# KiCad board vme-wren.kicad_pcb (continued)
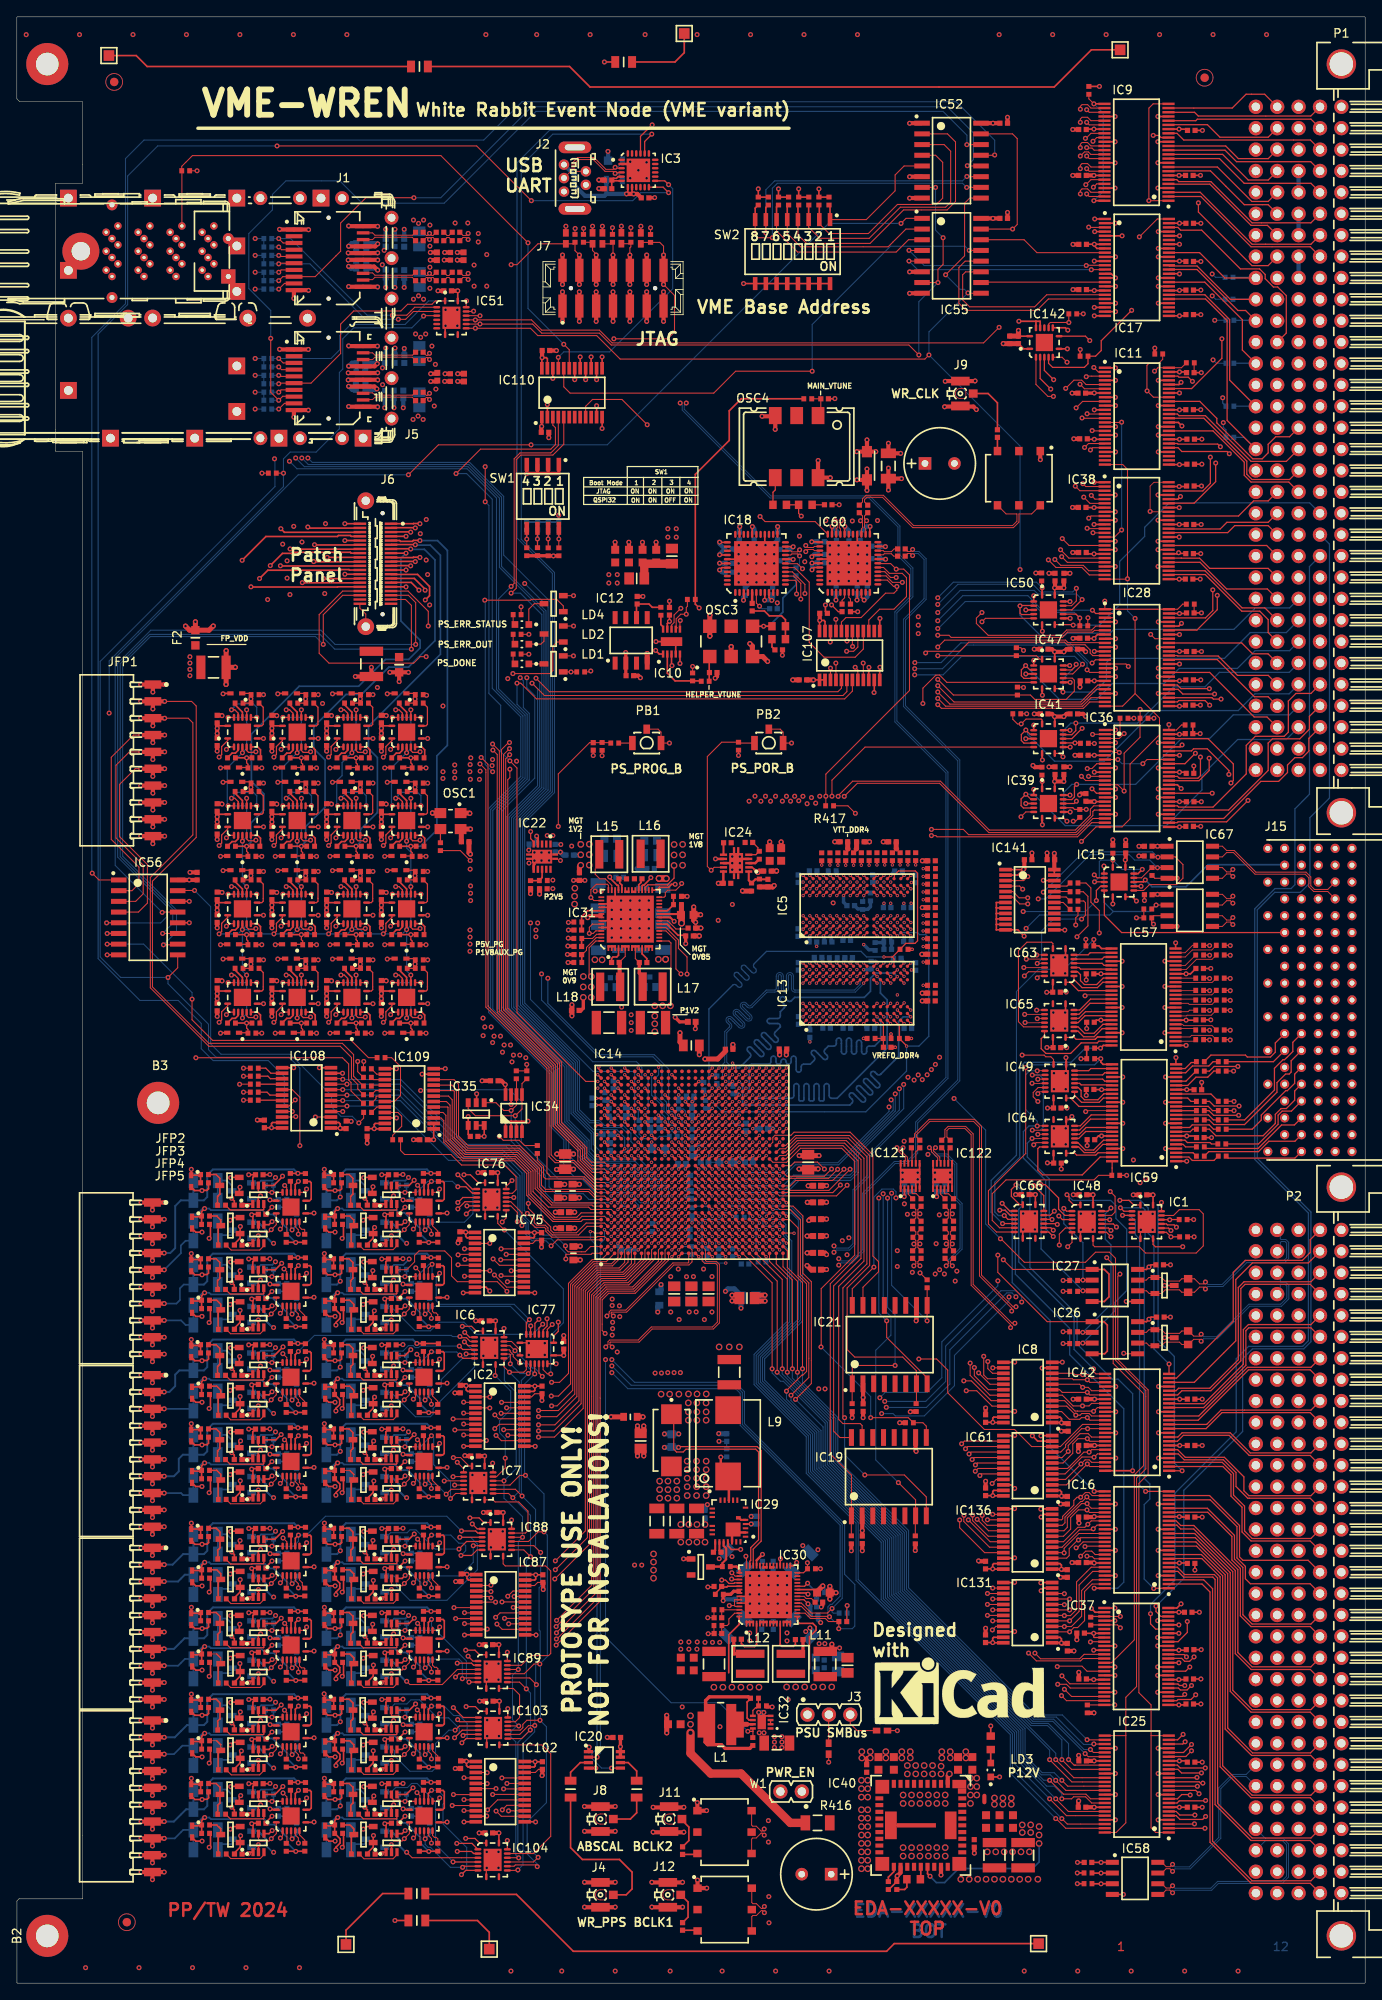
[diagram p0: board, top side]
## Routing (per net, layer and track width the routed paths; a pad name or vN(x,y) marks a point on that pad's centre or on a via; arc(x,y) is an arc through that point) (continued)
  L5 w0.125: v2(124.8,87.44) 130.45,87.44 131.8,88.79 131.8,94.24 133.09,95.53 134.05,95.53 v2(134.06,95.54)
/VMEF.USEGA_N: length 22.1
  Top Layer w0.125: SW2.6 90.22,208.04 92.73,205.54 104.43,205.54 105.89,207 IC55.3
  Top Layer w0.2: SW2.6 90.22,210.89 R344.2
/VMEF.WRITE_N: length 148.8
  Top Layer w0.125: IC36.5 130.23,146.79 130.9,146.12 v2(130.92,146.12) 130.22,146.12 130.06,146.29 IC36.6 ; v2(55.14,145.53) 55.95,144.72 55.95,115.99 63.2,108.74 63.2,98.14 63.93,97.42 66.13,97.42 68.88,94.66 IC14.A11
  L8 w0.125: v2(55.14,145.53) 55.14,149.42 56.56,150.84 96.73,150.84 99.04,148.54 112.08,148.54 117.19,143.43 117.19,143.42 125.48,143.42 126.76,144.7 127.74,144.7 128.65,143.8 130.68,143.8 131.24,144.36 131.24,145.8 v2(130.92,146.12)
/VMEF.WRITE_N_DIR: length 153.3
  Top Layer w0.125: IC36.8 130.75,145.29 v2(130.75,145.29) ; v2(133.73,144.79) 134.23,145.29 IC36.41 ; v2(55,144.76) 55.7,144.06 55.7,115.89 62.95,108.64 62.95,96.19 63.4,95.74 67.41,95.74 68.88,94.26 69.79,94.26 IC14.B10
  L8 w0.125: v2(130.75,145.29) 130.41,144.95 126.66,144.95 125.38,143.67 117.3,143.67 112.19,148.79 99.14,148.79 96.84,151.09 56.46,151.09 54.65,149.29 54.65,145.11 v2(55,144.76)
  Bottom Layer w0.125: v2(130.75,145.29) 131.25,144.79 v2(133.73,144.79)
/WR_CLK.25M_HELPER: length 10.2
  Top Layer w0.2: OSC3.4 v2(88.69,161.11) 89.68,161.11 R201.1
  Bottom Layer w0.2: v2(88.69,161.11) 89.29,161.11 90.97,162.79 90.97,164.47 92.53,166.03 R65.1
/WR_CLK.ABSCAL: length 68.3
  Top Layer w0.125: v1(68.11,89.24) 68.41,89.24 68.58,89.06 IC14.A4
  Top Layer w0.15: v2(70.64,25.54) IC20.5
  Bottom Layer w0.125: v2(70.64,25.54) 69.45,25.54 68.29,26.69 68.29,27.26 68.9,27.88 68.9,87.54 68.11,88.33 v1(68.11,89.24)
/WR_CLK.AUX_N: length 113
  Top Layer w0.115: 71.4,90.27 IC14.D6 ; IC60.35 94.72,170.59 94.59,170.46 93.94,170.46 v2(93.69,170.7)
  L3 w0.1: v2(59.73,110.19) 59.48,109.94 59.48,108.79 62.08,106.19 62.08,97.69 63.91,95.87 65.41,95.87 66.13,95.14 66.13,94.64 66.46,94.32 67.26,94.32 70.14,91.44 71.55,91.44 71.77,91.22 71.77,90.64 v1(71.39,90.26)
  L10 w0.1: v2(59.73,110.19) 59.48,110.44 59.48,139.04 73.66,153.21 84.76,153.21 95.33,163.79 95.33,169.89 94.76,170.47 93.93,170.47 v2(93.69,170.7)
/WR_CLK.AUX_P: length 111.8
  Top Layer w0.115: IC60.36 94.72,170.09 94.59,170.22 93.94,170.22 v2(93.69,169.98) ; 71.4,91.07 IC14.D7
  L3 w0.1: v1(71.39,91.06) 71.02,90.69 70.44,90.69 70.22,90.91 70.22,90.99 67.15,94.06 66.35,94.06 65.87,94.54 65.87,95.04 65.3,95.61 63.8,95.61 61.82,97.59 61.82,106.09 59.22,108.69 59.22,109.94 v2(58.97,110.19)
  L10 w0.1: v2(58.97,110.19) 59.22,110.44 59.22,139.14 73.55,153.47 84.65,153.47 95.07,163.89 95.07,169.79 94.65,170.21 93.93,170.21 v2(93.69,169.98)
/WR_CLK.HELPER_N: length 113.1
  Top Layer w0.115: 72.2,89.47 IC14.E5 ; v2(92.96,170.18) 92.72,169.94 92.05,169.94 91.92,170.07 IC18.20
  L3 w0.1: v1(72.19,89.46) 71.82,89.09 70.44,89.09 70.2,89.32 70.2,89.58 69.95,89.84 69.74,89.84 68.02,91.56 67,91.56 65.82,92.74 65.82,93.44 65.3,93.96 63.9,93.96 60.37,97.49 60.37,101.44 59.87,101.94 59.87,106.14 58.12,107.89 58.12,111.14 v2(57.87,111.39)
  L10 w0.1: v2(92.96,170.18) 92.73,169.95 91.83,169.95 91.07,169.19 91.07,162.39 83.15,154.47 73,154.47 58.12,139.59 58.12,111.64 v2(57.87,111.39)
/WR_CLK.HELPER_P: length 112.7
  Top Layer w0.115: 71.4,89.47 IC14.D5 ; IC18.19 91.92,169.57 92.05,169.7 92.72,169.7 v2(92.96,169.46)
  L3 w0.1: v1(71.39,89.46) 71.02,89.84 70.35,89.84 70.09,90.1 69.84,90.1 68.12,91.82 67.11,91.82 66.08,92.84 66.08,93.54 65.41,94.22 64.01,94.22 60.63,97.59 60.63,101.54 60.13,102.04 60.13,106.24 58.38,107.99 58.38,111.14 v2(58.63,111.39)
  L10 w0.1: v2(92.96,169.46) 92.73,169.69 91.94,169.69 91.33,169.09 91.33,162.29 83.26,154.21 73.11,154.21 58.38,139.49 58.38,111.64 v2(58.63,111.39)
  Bottom Layer w0.115: R65.2 92.96,168.47 v2(92.96,169.46)
/WR_CLK.MAIN_N: length 137.3
  Top Layer w0.115: 70.6,87.07 IC14.C2 ; IC60.24 100.8,172.68 100.67,172.81 100.67,173.4 v2(100.92,173.64) 100.67,173.88 100.67,174.21 C248.2
  L3 w0.1: v1(70.59,87.06) 70.32,87.33 70.05,87.33 69.95,87.44 68.62,87.44 67.85,88.21 63.95,88.21 62.82,89.34 62.82,91.99 58.12,96.69 58.12,100.49 55.82,102.79 55.82,113.28 v2(55.57,113.53)
  L10 w0.1: v2(55.57,113.53) 55.82,113.78 55.82,140.49 59.82,144.49 59.82,146.24 70.75,157.17 78.15,157.17 80.17,159.19 80.17,171.89 85.25,176.97 98.96,176.97 100.68,175.24 100.68,173.87 v2(100.92,173.64)
/WR_CLK.MAIN_P: length 136
  Top Layer w0.115: 70.59,87.86 70.98,88.26 ; IC60.25 100.3,172.68 100.43,172.81 100.43,173.4 v2(100.19,173.64) 100.43,173.88 100.43,174.21 C246.2
  L3 w0.1: v1(70.58,87.86) 70.32,87.59 70.16,87.59 70.05,87.7 68.73,87.7 67.96,88.47 64.06,88.47 63.08,89.44 63.08,92.09 58.38,96.79 58.38,100.59 56.08,102.89 56.08,113.28 v2(56.33,113.53)
  L10 w0.1: v2(100.19,173.64) 100.42,173.87 100.42,175.14 98.85,176.71 85.36,176.71 80.43,171.79 80.43,159.09 78.26,156.91 70.86,156.91 60.08,146.14 60.08,144.39 56.08,140.39 56.08,113.78 v2(56.33,113.53)
/WR_CLK.PPS: length 64.6
  Top Layer w0.15: IC20.2 v2(68.91,26.84) ; 69.8,89.46 IC14.B4
  Bottom Layer w0.125: v1(69.79,89.46) 69.79,88.33 69.3,87.84 69.3,27.33 68.91,26.94 v2(68.91,26.84)
/WR_CLK.RSTN: length 147.8
  Top Layer w0.125: IC60.17 102.29,168.55 103.77,168.55 v2(104.43,167.89) 105.33,167.89 106.01,167.21 106.01,153.49 96.08,143.55 v2(96.08,140.93) 96.08,139.81 R417.2 ; v2(93.3,167.94) 92.71,168.53 91.32,168.53 IC18.17
  Top Layer w0.15: 74.58,100.66 IC14.G18
  L3 w0.125: v2(93.3,167.94) 93.3,166.39 94.8,164.89 94.8,163.64 95.29,163.15 96.96,163.15 97.24,163.44 100.62,163.44 103.8,166.62 103.8,167.26 v2(104.43,167.89)
  L5 w0.125: v2(53.88,130.28) 56.55,127.6 56.55,116.71 63.31,109.95 63.31,106.54 66.39,103.47 71.79,103.47 v1(74.59,100.66)
  L8 w0.125: v2(96.08,140.93) 96.08,140.16 95.42,139.5 63.88,139.5 62.72,138.35 56.86,138.35 53.16,134.65 53.16,131 v2(53.88,130.28)
/WR_CLK.SFP_N: length 117.5
  Top Layer w0.115: C266.1 105.81,169.74 106.14,169.74 v2(106.38,169.5) ; IC14.V5 83.38,89.47
  L3 w0.1: v2(97.61,86.02) 97.36,85.77 95.36,85.77 94.26,84.67 83.98,84.67 83.52,85.12 83.52,87.34 83.77,87.58 83.77,89.09 v1(83.39,89.46)
  Bottom Layer w0.115: v2(106.38,169.5) 106.63,169.74 107.04,169.74 107.74,169.04 107.74,164.39 105.29,161.94 105.29,151.59 111.74,145.14 111.74,107.24 106.74,102.24 106.74,98.64 105.66,97.56 104.21,97.56 100.44,93.79 100.44,87.09 99.11,85.76 97.87,85.76 v2(97.61,86.02)
/WR_CLK.SFP_P: length 119.6
  Top Layer w0.115: IC14.V6 83.38,90.27 ; C265.1 105.81,169.98 106.14,169.98 v2(106.38,170.22)
  L3 w0.1: v1(83.39,90.26) 83.01,89.88 83.01,87.58 83.26,87.34 83.26,84.98 83.84,84.41 94.37,84.41 95.47,85.51 97.36,85.51 v2(97.61,85.26)
  Bottom Layer w0.115: v2(97.61,85.26) 97.87,85.52 99.21,85.52 100.68,86.99 100.68,93.69 104.31,97.32 105.76,97.32 106.98,98.54 106.98,102.14 111.98,107.14 111.98,145.24 105.53,151.69 105.53,161.84 107.98,164.29 107.98,169.14 107.14,169.98 106.63,169.98 v2(106.38,170.22)
/WR_CLK.SI5340_IRQ_N: length 118.2
  Top Layer w0.125: IC60.33 94.81,173.54 88.86,173.54 v2(88.26,174.14)
  Top Layer w0.15: 72.18,99.06 IC14.D16
  L3 w0.125: v2(60.31,166.19) 64.91,166.19 66.26,167.54 66.26,169.04 71.36,174.14 v2(88.26,174.14)
  Bottom Layer w0.125: v2(60.31,166.19) 63.09,163.41 63.09,141.65 59.52,138.08 59.52,116.1 66.32,109.3 66.32,103.48 68.46,101.34 71.26,101.34 72.19,100.41 v1(72.19,99.06)
/WR_CLK.SPI_HELPER_CS_N: length 20.4
  Top Layer w0.125: IC107.16 100.53,158.4 99.56,157.44 95.86,157.44 94.1,159.19 94.1,166.34 92.37,168.07 IC18.16
/WR_CLK.SPI_MAIN_CS_N: length 13.1
  Top Layer w0.125: IC107.15 101.18,161.85 102.46,163.14 104.16,163.14 105.65,164.62 105.65,166.88 105.14,167.39 103.63,167.39 102.93,168.09 IC60.16
/WR_CLK.SPI_MISO: length 66.7
  Top Layer w0.125: v2(104.43,166.9) 103.76,166.9 103.08,167.59 IC60.15 ; IC18.15 92.1,167.57 93.59,166.08 v2(93.59,164.99)
  Top Layer w0.2: IC110.15 v2(68.2,193.09)
  L3 w0.125: v2(68.2,193.09) 68.2,189.79 73.56,184.44 73.56,182.54 81.26,174.84 89.86,174.84 91.36,173.34 91.36,167.84 93.59,165.61 v2(93.59,164.99) 93.59,164.41 95.16,162.84 97.46,162.84 98.06,162.24 101.35,162.24 103.78,164.66 103.78,166.24 v2(104.43,166.9)
/WR_CLK.SPI_MOSI: length 35.9
  Top Layer w0.125: IC60.13 103.37,166.59 104.13,165.83 v2(104.51,165.83) 104.51,165.39 104.16,165.04 103.16,165.04 100.26,162.14 98.46,162.14 97.93,161.6 IC107.20 ; v2(92.6,164.94) 92.6,166.36 92.39,166.57 IC18.13
  L3 w0.125: v2(92.6,164.94) 92.6,160.99 93.5,160.09 102.6,160.09 104.51,162 v2(104.51,165.83)
/WR_CLK.SPI_SCK: length 24.6
  Top Layer w0.125: IC107.21 97.28,161.92 v2(97.26,161.94) ; IC60.14 103.22,167.09 103.99,166.32 v2(105.16,166.32) ; IC18.14 92.25,167.07 93.1,166.21 v2(93.1,164.34)
  L3 w0.125: v2(93.1,164.34) 95.16,162.29 96.91,162.29 v2(97.26,161.94) 101.71,161.94 104.03,164.25 104.03,166.03 104.31,166.32 v2(105.16,166.32)
/WR_DAC.DIN: length 34.4
  Top Layer w0.125: v2(99.25,158.71) 99.23,158.73 IC107.18 ; v2(78.85,163.24) 78.05,162.44 78.05,161.55 77.75,161.25 IC10.8 ; R86.1 80.25,156.33 v2(80.26,156.34)
  L3 w0.125: v2(99.25,158.71) 99.25,157.7 99.02,157.47 91.53,157.47 89.95,155.89 80.7,155.89 v2(80.26,156.34) 79.05,157.54 79.05,159.54 78.3,160.29 78.3,162.69 v2(78.85,163.24)
/WR_DAC.SCLK: length 30.7
  Top Layer w0.125: R66.1 79.63,163.47 79.5,163.34 v2(79.5,162.54) 78.85,162.54 78.3,161.99 78.3,161.03 78.41,160.92 IC10.7 ; IC107.19 98.58,159.37 v2(98.59,159.36)
  L3 w0.125: v2(79.5,162.54) 80.35,161.69 80.35,157.79 81.5,156.64 87.85,156.64 89.97,158.75 97.99,158.75 v2(98.59,159.36)
/WR_DAC.SYNC: length 29.6
  Top Layer w0.125: IC10.6 78.75,161.75 v2(78.79,161.79) ; IC107.17 99.88,158.64 99.37,158.14 v2(98.54,158.14)
  L3 w0.125: v2(78.79,161.79) 78.79,160.75 79.75,159.79 79.75,157.84 81.3,156.29 89.21,156.29 89.99,157.07 89.99,157.77 90.58,158.36 97.43,158.36 97.65,158.14 v2(98.54,158.14)
/WRFLASH_I2C.SCL: length 28
  Top Layer w0.125: R226.1 59.34,107.36 IC34.6 59.34,104.25 v2(58.7,103.61) 57.83,103.61 56.9,104.54 IC35.1
  Top Layer w0.15: 70.6,92.67 IC14.C9
  Bottom Layer w0.125: v1(70.59,92.66) 63.94,92.66 62.76,93.84 62.76,95.93 58.7,99.99 v2(58.7,103.61)
/WRFLASH_I2C.SDA: length 31.2
  Top Layer w0.125: IC35.3 53.6,103.84 54.45,102.99 v2(59.19,102.99) 59.99,103.79 IC34.5 59.99,106.81 R169.1
  Top Layer w0.15: 71.4,92.67 IC14.D9
  Bottom Layer w0.125: v2(59.19,102.99) 59.19,100.06 63.21,96.04 63.21,94.54 64.01,93.74 67.25,93.74 67.94,93.05 71,93.05 v1(71.39,92.66)
CHASSIS: length 47.3
  Top Layer w0.2: TP2.1 39.09,6.29 43.45,10.64 R400.1 ; R398.1 15.47,227.57 14.17,228.87 TP5.1
  vias: v2(1.11,231.35) v2(7.44,231.36) v2(8.16,1.84) v2(13.79,231.36) v2(14.51,1.84) v2(20.14,231.36) v2(20.86,1.84) v2(26.49,231.36) v2(27.21,1.84) v2(32.84,231.36) v2(33.56,1.84) v2(39.19,231.36)
MGT_0V9: length 11.9
  Top Layer w0.125: IC31.56 68.77,123.74 67.96,122.94 67.96,119.79 v4(68.23,119.52)
  Top Layer w0.2: IC14.V4 83.38,88.67 ; IC14.Y4 84.98,88.67
  Top Layer w0.4: v4(67.27,117.04) 67.27,115.75 67.01,115.49 C341.2
  Bottom Layer w0.125: C49.2 84.6,87.59 84.6,88.27 v1(84.99,88.66) ; C344.2 83,87.54 83,88.27 v1(83.39,88.66)
  vias: v4(67.28,119.52) v4(67.27,118.28) v4(68.21,118.28) v4(68.21,117.04)
MGT_0V85: length 6.7
  Top Layer w0.2: 71.4,103.86 IC14.D22 ; 69.8,103.86 IC14.B22
  Top Layer w0.25: IC31.23 76.3,126.94 79.06,126.94
  Top Layer w0.6: R214.2 78.93,127
  Top Layer w0.8: 78.93,127 78.93,126.92 ; 78.86,126.92 78.94,126.85 v4(78.94,125.86)
  Bottom Layer w0.4: v1(69.79,103.86) 70.32,103.86 C19.2
  vias: v1(71.39,103.86)
MGT_1V2: length 11.7
  Top Layer w0.125: IC31.41 70.65,130.34 69.88,131.12 69.23,131.12 68.69,131.66 68.69,132.32
  Top Layer w0.13: L15.2 69.08,133.94
  Top Layer w0.2: 78.6,86.27 IC14.N1 ; 79.4,88.67 IC14.P4 ; IC14.T4 81.78,88.67
  Top Layer w0.4: 66.8,135.38 v4(66.98,135.21)
  Top Layer w0.6: v4(66.97,132.73) 66.81,132.58 C340.2
  Bottom Layer w0.125: C31.2 82.18,87.46 82.18,88.27 v1(81.79,88.66) ; v1(78.59,86.26) 78.98,86.65 80.02,86.65 R222.2 ; C343.2 79.44,88.61 v1(79.39,88.66)
  Bottom Layer w0.6: C231.1 66.94,133.94 v4(66.97,133.97)
  vias: v4(67.99,135.23) v4(67.98,133.99) v4(67.98,132.75)
MGT_1V8: length 13
  Top Layer w0.15: v4(78.05,132.71) 78.05,131.21 77.25,130.4 74.93,130.4 74.65,130.13 IC31.31
  Top Layer w0.2: 68.83,104.26 IC14.A23 ; 72.2,104.66 IC14.E23 ; IC14.U5 82.58,89.47 ; 70.6,104.66 IC14.C23 ; IC14.W5 84.18,89.47 ; 71.4,106.26 IC14.D25
  Top Layer w0.25: v2(78.06,126.07) 77.6,126.54 IC31.22
  Bottom Layer w0.4: C157.2 68.38,104.26 v1(68.82,104.26) ; v1(70.59,104.66) 70.52,104.73 69.94,104.73 C25.2 ; v1(71.39,106.26) 70.87,106.26 C342.2
  vias: v1(72.19,104.66) v1(82.59,89.46) v1(84.19,89.46) v4(78.06,135.19) v4(78.05,133.95) v4(79.07,135.21) v4(79.06,133.97) v4(79.06,132.73)
PSADC_AGND: length 5.6
  Top Layer w0.2: 79.4,95.87 IC14.P13 ; IC14.R13 80.98,95.87 ; IC14.T13 81.78,95.87 ; IC14.T12 81.78,95.07 ; IC14.W20 84.18,102.26 ; IC14.R12 80.98,95.07
  Top Layer w0.6: L2.1 v2(81.05,110.24)
  Bottom Layer w0.4: v1(86.59,100.66) C97.1 ; C98.1 79.97,95.86 v1(79.39,95.86)
  vias: v1(80.99,95.86) v1(80.99,95.06) v1(81.79,95.86) v1(81.79,95.06) v1(84.19,102.26)
VTT_DDR4-PS: length 4.3
  Top Layer w0.3: R134.1 88.16,133.45 87.69,132.99 IC24.3 ; 89.33,133.03 89.41,133.11 C133.2
  Top Layer w0.6: 104.49,134.66 104.44,134.71 C130.2 ; C128.2 99.73,134.71 99.68,134.66 ; 98.72,134.66 98.67,134.71 C127.2
Net-(C15-Pad2): length 4.9
  Top Layer w1: L13.2 74.66,168.54 74.51,168.39 74.52,168.38 L14.1
Net-(C48-Pad2): length 4.7
  Bottom Layer w0.125: C48.2 73.9,100.8 74.43,100.27 76.05,100.27 76.34,100.56 R190.1
Net-(C59-Pad1): length 16.5
  Top Layer w0.15: C59.1 97.55,162.84 v2(96.75,163.64) ; R199.2 R200.2 92.85,174.5 v2(93.16,174.19)
  L3 w0.15: v2(93.16,174.19) 95.41,171.94 95.41,164.98 v2(96.75,163.64)
Net-(C99-Pad1): length 2.9
  Bottom Layer w0.4: C99.1 99.87,127.55 100.38,127.55 R111.2 100.47,127.51 101.07,127.51 101.38,127.82 R112.2
Net-(C162-Pad2): length 1.5
  Top Layer w0.15: C162.2 95.9,175.53 R200.1
Net-(C165-Pad2): length 1.4
  Top Layer w0.2: C165.2 89.68,158.66 R202.1
Net-(C247-Pad1): length 6.5
  Top Layer w0.2: J9.1 115.35,188.74 116.45,187.64 C247.1
Net-(C282-Pad1): length 3.1
  Top Layer w0.4: L11.1 93.36,39.1 93.36,40.71
Net-(C289-Pad1): length 5.2
  Top Layer w0.4: 85.57,39.1 87.1,39.1 85.15,39.11 85.15,40.79
Net-(C299-Pad1): length 4.9
  Top Layer w0.125: IC31.9 73.45,121.65 C299.1
  Top Layer w0.4: L17.1 74.33,119.53 73.92,119.93 C299.1
Net-(C300-Pad1): length 4.9
  Top Layer w0.125: C300.1 72.25,121.91 IC31.6
  Top Layer w0.5: C300.1 71.59,121.13 71.59,118.36 L18.1
Net-(C353-Pad1): length 6.7
  Top Layer w0.2: R202.2 R201.2 91.28,161.88 90.83,162.33 89.37,162.33 88.78,162.92 C353.1
Net-(C478-Pad1): length 4.1
  Top Layer w0.2: 79.26,19.39 78.99,19.39 78.99,19.36 79.81,18.54 79.81,16.94 C478.1
Net-(C485-Pad1): length 3.9
  Top Layer w0.2: J12.1 78.86,10.49 79.71,9.64 79.71,7.84 C485.1
Net-(D10-C): length 4.7
  Top Layer w0.25: R253.2 83.79,49.86 84.24,50.32 84.24,51.61 83.94,51.91 IC29.21
  Top Layer w0.3: R253.2 82.42,49.46 D10.3
Net-(D11A-COMAC): length 4.6
  Top Layer w0.2: R47.1 39.72,89.65 D11.3 40.01,90.61 39.54,91.09 R43.2
Net-(D12A-COMAC): length 4.6
  Top Layer w0.1: 23.92,89.65 D12.3
  Top Layer w0.2: R137.2 23.74,91.09 24.21,90.61 D12.3 ; R139.1 23.92,89.65
Net-(D15A-COMAC): length 4.6
  Top Layer w0.1: 23.92,79.65 D15.3
  Top Layer w0.2: R151.2 23.74,81.09 24.21,80.61 D15.3 ; R153.1 23.92,79.65
Net-(D16A-COMAC): length 4.6
  Top Layer w0.1: 39.72,79.65 D16.3
  Top Layer w0.2: D16.3 40.01,80.61 39.54,81.09 R174.2 ; R176.1 39.72,79.65
Net-(D19A-COMAC): length 4.6
  Top Layer w0.1: 39.54,60.89 R270.2 ; D19.3 40.01,60.41
  Top Layer w0.2: R272.1 39.72,59.45 D19.3 ; 40.01,60.41 39.54,60.89
Net-(D20A-COMAC): length 4.6
  Top Layer w0.2: R284.2 23.74,70.89 24.21,70.41 D20.3 23.92,69.45 R286.1
Net-(D23A-COMAC): length 4.6
  Top Layer w0.1: 39.72,69.45 D23.3
  Top Layer w0.2: D23.3 40.01,70.41 39.54,70.89 R298.2 ; R300.1 39.72,69.45
Net-(D24A-COMAC): length 4.6
  Top Layer w0.2: R314.1 23.92,59.45 D24.3 24.21,60.41 23.74,60.89 R312.2
Net-(D27A-COMAC): length 4.6
  Top Layer w0.1: 39.73,47.65 D27.3
  Top Layer w0.2: R326.2 39.55,49.08 40.02,48.61 D27.3 ; R328.1 39.73,47.65
Net-(D28A-COMAC): length 4.6
  Top Layer w0.1: D28.3 24.22,38.61 ; 23.75,39.08 R340.2
  Top Layer w0.2: R342.1 23.93,37.65 D28.3 ; 24.22,38.61 23.75,39.08
Net-(D31A-COMAC): length 4.6
  Top Layer w0.1: 23.93,47.65 D31.3
  Top Layer w0.2: D31.3 24.22,48.61 23.75,49.08 R354.2 ; R356.1 23.93,47.65
Net-(D32A-COMAC): length 4.6
  Top Layer w0.2: R370.1 39.73,37.65 D32.3 40.02,38.61 39.55,39.08 R368.2
Net-(D35A-COMAC): length 4.6
  Top Layer w0.1: 23.75,28.78 R382.2 ; D35.3 24.22,28.31
  Top Layer w0.2: D35.3 23.93,27.35 R384.1 ; 24.22,28.31 23.75,28.78
Net-(D36A-COMAC): length 4.6
  Top Layer w0.1: 23.93,17.35 D36.3
  Top Layer w0.2: D36.3 24.22,18.31 23.75,18.78 R413.2 ; R415.1 23.93,17.35
Net-(D39A-COMAC): length 4.6
  Top Layer w0.1: 39.73,17.35 D39.3
  Top Layer w0.2: R429.1 39.73,17.35 ; D39.3 40.02,18.31 39.55,18.78 R427.2
Net-(D40A-COMAC): length 4.6
  Top Layer w0.1: 39.73,27.35 D40.3
  Top Layer w0.2: R441.2 39.55,28.78 40.02,28.31 D40.3 ; R443.1 39.73,27.35
Net-(D43A-COMAC): length 4.8
  Top Layer w0.2: R42.2 39.47,96.01 39.91,95.56 D43.3 39.91,93.68 39.64,93.41 R45.1
Net-(D44A-COMAC): length 4.8
  Top Layer w0.2: R136.2 23.67,96.01 24.11,95.56 D44.3 24.11,93.68 23.84,93.41 R138.1
Net-(D47A-COMAC): length 4.8
  Top Layer w0.2: R150.2 23.67,86.01 24.11,85.56 D47.3 24.11,83.68 23.84,83.41 R152.1
Net-(D50A-COMAC): length 4.8
  Top Layer w0.2: R175.1 39.64,83.41 39.91,83.68 D50.3 39.91,85.56 39.47,86.01 R173.2
Net-(D53A-COMAC): length 4.8
  Top Layer w0.2: R271.1 39.64,63.21 39.91,63.48 D53.3 39.91,65.36 39.47,65.81 R269.2
Net-(D54A-COMAC): length 4.8
  Top Layer w0.2: R283.2 23.67,75.81 24.11,75.36 D54.3 24.11,73.48 23.84,73.21 R285.1
Net-(D57A-COMAC): length 4.8
  Top Layer w0.2: R297.2 39.47,75.81 39.91,75.36 D57.3 39.91,73.48 39.64,73.21 R299.1
Net-(D58A-COMAC): length 4.8
  Top Layer w0.2: R313.1 23.84,63.21 24.11,63.48 D58.3 24.11,65.36 23.67,65.81 R311.2
Net-(D61A-COMAC): length 4.8
  Top Layer w0.2: R325.2 39.48,54 39.92,53.56 D61.3 39.92,51.68 39.65,51.41 R327.1
Net-(D62A-COMAC): length 4.8
  Top Layer w0.2: R341.1 23.85,41.41 24.12,41.68 D62.3 24.12,43.56 23.68,44 R339.2
Net-(D65A-COMAC): length 4.8
  Top Layer w0.2: R355.1 23.85,51.41 24.12,51.68 D65.3 24.12,53.56 23.68,54 R353.2
Net-(D66A-COMAC): length 4.8
  Top Layer w0.2: R367.2 39.48,44 39.92,43.56 D66.3 39.92,41.68 39.65,41.41 R369.1
Net-(D67A-COMAC): length 4.8
  Top Layer w0.2: R381.2 23.68,33.7 24.12,33.26 D67.3 24.12,31.38 23.85,31.11 R383.1
Net-(D68A-COMAC): length 4.8
  Top Layer w0.2: R412.2 23.68,23.7 24.12,23.26 D68.3 24.12,21.38 23.85,21.11 R414.1
Net-(D71A-COMAC): length 4.8
  Top Layer w0.2: R428.1 39.65,21.11 39.92,21.38 D71.3 39.92,23.26 39.48,23.7 R426.2
Net-(D72A-COMAC): length 4.8
  Top Layer w0.2: R440.2 39.48,33.7 39.92,33.26 D72.3 39.92,31.38 39.65,31.11 R442.1
Net-(IC1-QH'): length 26.3
  Top Layer w0.15: v2(123.21,91.66) 122.74,91.19 IC66.14 ; IC1.9 134.94,87.71 135.21,87.44 v2(138.46,87.44)
  L3 w0.125: v2(138.46,87.44) 138.46,90.61 137.25,91.82 135.67,91.82 135.01,92.48 132.84,92.48 131.63,93.69 130.49,93.69 129.32,92.51 124.06,92.51 v2(123.21,91.66)
Net-(IC1-SER): length 23.9
  Top Layer w0.125: IC48.9 127.81,87.63 128,87.44 133.3,87.44 134.05,86.69 140.05,86.69 140.9,87.54 140.9,91.34 140.4,91.84 138.05,91.84 137.36,91.15 IC1.14
Net-(IC3-VDD): length 3.6
  Top Layer w0.2: IC3.5 71.41,214.49 71.21,214.29 70.85,214.29 C52.1 ; IC3.6 70.75,213.99 C52.1 ; C52.1 70.65,213.06 C53.1
Net-(IC6-QH'): length 15.8
  Top Layer w0.125: v2(56.8,72.14) 56.85,72.19 IC6.9 ; IC7.14 56.98,60.14 58,61.17 v2(58,62.34)
  Bottom Layer w0.125: v2(58,62.34) 58,64.68 57.33,65.36 57.33,66.78 58.65,68.11 58.65,70.29 v2(56.8,72.14)
Net-(IC10-VOUTA): length 46.1
  Top Layer w0.2: v2(81.03,163.28) 80.57,163.74 R66.2 80.57,179.14 84.6,183.17 84.6,186.69 86.03,188.12 R58.1 ; v2(75.86,158.24) 76.29,157.81 IC10.1
  L3 w0.2: v2(75.86,158.24) 75.38,158.72 75.38,160.84 78.79,164.26 80.05,164.26 v2(81.03,163.28)
Net-(IC10-VOUTB): length 6.7
  Top Layer w0.2: IC10.2 77.25,155.54 78.17,154.62 R86.2 81.24,154.62 R57.1
Net-(IC10-VREF): length 1.8
  Top Layer w0.2: R94.2 76.48,161.3 76.75,161.04 IC10.10
Net-(IC12-OUT): length 4.6
  Top Layer w0.2: IC12.6 73.59,163.68 C78.2 75.07,163.75 75.46,163.36 R94.1
Net-(IC14E-IO_T0U_N12_VRP_64): length 5.4
  Top Layer w0.15: IC14.AD6 88.18,90.27
  Bottom Layer w0.125: R22.2 88.03,86.31 87.8,86.55 87.8,89.87 v1(88.19,90.26)
Net-(IC14F-IO_T0U_N12_VRP_65): length 4
  Top Layer w0.15: IC14.W9 84.18,92.67
  Bottom Layer w0.125: v1(84.19,92.66) 84.58,92.27 85.93,92.27 86.18,92.02 86.18,91.14 R20.2
Net-(IC14G-IO_T0U_N12_VRP_66): length 2.5
  Top Layer w0.15: 73.8,88.67 IC14.G4
  Bottom Layer w0.125: v1(73.79,88.66) 74.2,89.07 75.29,89.07 R21.2
Net-(IC14L-PS_MGTRREF_505): length 1.3
  Top Layer w0.2: 73,103.86 IC14.F22
  Bottom Layer w0.4: R11.2 72.42,103.86 v1(72.99,103.86)
Net-(IC14M-PS_DDR_ZQ): length 1.5
  Top Layer w0.15: IC14.U24 82.58,105.46
  Bottom Layer w0.2: R1.2 81.81,104.8 82.44,105.42
  vias: v1(82.59,105.46)
Net-(IC14O-MGTRREF_R): length 2.3
  Top Layer w0.15: 78.6,87.07 IC14.N2
  Bottom Layer w0.125: v1(78.59,87.06) 78.99,87.46 R222.1
Net-(IC14P-PUDC_B): length 3.8
  Top Layer w0.2: IC14.U7 82.58,91.07
  Bottom Layer w0.125: R63.1 80.37,92.25 81.95,92.25 82.18,92.02 82.18,91.47 v1(82.59,91.06)
Net-(IC18-XA): length 1.3
  Top Layer w0.3: C353.2 IC18.5
Net-(IC18-XB): length 3.1
  Top Layer w0.125: v2(88.2,163.49) 87.83,163.86 IC18.6
  Bottom Layer w0.125: C66.2 88.5,163.19 v2(88.2,163.49)
Net-(IC20A-1Y): length 3.5
  Top Layer w0.2: R38.1 73.61,25.19 72.61,26.19 IC20.6
Net-(IC20B-2Y): length 3.6
  Top Layer w0.2: R39.1 65.76,25.04 66.91,26.19 IC20.3
Net-(IC22-FB): length 2.5
  Top Layer w0.2: R64.2 62.04,130.91 R62.1 62.06,130.94 62.38,131.26 IC22.8
Net-(IC23-1Y): length 1.5
  Top Layer w0.1: IC23.3 47.86,88.97 R28.1
Net-(IC23-2Y): length 1.7
  Top Layer w0.125: IC23.6 49.36,89.93 49.99,89.29 R29.1
Net-(IC23-3Y): length 3.4
  Top Layer w0.2: R32.1 50.61,95.19 50.75,95.04 50.75,93.09 50.56,92.9 IC23.8
Net-(IC23-4Y): length 1.3
  Top Layer w0.2: R33.1 48.36,95.13 IC23.11
Net-(IC24-REFIN): length 3.7
  Top Layer w0.25: IC24.1 86.92,130.94 R125.1 87.71,131.06 C136.2
Net-(IC24-REFOUT): length 1.4
  Top Layer w0.25: IC24.6 83.92,135.39 C140.2
Net-(IC24-VOSNS): length 2.8
  Top Layer w0.15: C126.2 88.01,134.82 88.01,134.56 R134.2 88.16,134.39 87.94,134.18 87.94,134.16 87.77,133.99 IC24.5
Net-(IC29-BOOT): length 1.3
  Top Layer w0.25: IC29.20 83.44,51.36 C270.2
Net-(IC29-GL-Pad27): length 0.9
  Top Layer w0.25: IC29.5 86,55.01 85.76,55.25 IC29.27
Net-(IC29-PHASE): length 1.3
  Top Layer w0.25: IC29.19 82.94,51.38 C270.1
Net-(IC29-SW-Pad10): length 6.3
  Top Layer w0.3: v2(83.6,62.46) 83.6,61.03 L9.1 84.56,60.07 IC29.10 IC29.10
  Bottom Layer w0.125: v2(83.6,62.46) 83.63,62.49 R37.1
Net-(IC30-1V8): length 2.4
  Top Layer w0.125: C276.1 94.37,45.67 93.75,45.67 93.49,45.93 IC30.21
Net-(IC30-ADDR_PROT): length 4
  Top Layer w0.125: C293.2 83.71,42.44 R208.2 84.36,42.46 84.56,42.66 84.56,43.24 85.25,43.93 IC30.55
Net-(IC30-BOOT_C): length 5.1
  Top Layer w0.2: IC30.11 90.65,40.2 90.87,39.99 92.23,39.99 92.46,40.21 C282.2
Net-(IC30-BOOT_D): length 5
  Top Layer w0.2: IC30.4 87.85,40.2 87.61,39.95 86.42,39.95 86.05,40.33 86.05,40.79
Net-(IC30-EN_A): length 46.2
  Top Layer w0.12: IC30.51 85.26,45.53 85.24,45.51 85.24,44.82 85.33,44.73 IC30.53 ; v2(84.61,44.83) 85.23,44.83 85.27,44.79
  Top Layer w0.135: IC30.28 93.43,48.73 R212.2 93.9,49.9 v2(93.89,49.91) ; IC30.42 86.65,50.62 v2(86.58,50.69)
  L3 w0.125: v2(93.89,49.91) 93.32,49.34 87.93,49.34 v2(86.58,50.69) 85.42,49.53 85.42,45.64 v2(84.61,44.83) 84.61,40.09 91.12,33.58 91.12,30.73 93.22,28.62 W1.1
Net-(IC30-FB__L): length 3.7
  Top Layer w0.15: v2(93.91,47.49) 93.56,47.13 IC30.24
  Bottom Layer w0.2: R207.1 94.99,45.61 R206.1 93.91,47.45 v2(93.91,47.49)
Net-(IC30-ISEN_A+): length 21.6
  Top Layer w0.15: IC30.46 85.23,47.53 85.16,47.46 84.57,47.46 84.17,47.86 v2(83.71,47.86)
  L3 w0.15: v2(83.71,47.86) 84.08,47.86 84.11,47.89 84.11,64.2 83.98,64.33 v2(83.39,64.33)
  Bottom Layer w0.125: R37.2 84.3,64.32 C271.2 v2(83.39,64.33)
Net-(IC30-MTP): length 3
  Top Layer w0.125: C294.2 83.71,44.32 R209.2 83.74,44.33 IC30.54
Net-(IC30-PWM_A): length 1.6
  Top Layer w0.3: IC30.43 85.81,49.12 85.48,49.46 R253.1
Net-(IC30-VDRV): length 3.5
  Top Layer w0.18: 84.32,47.03 84.42,47.13 IC30.47 ; C286.1 83.7,47.02 82.96,46.27 R205.2 83,46.16
  Top Layer w0.2: C286.1 83.77,47.03 84.32,47.03
Net-(IC31-1V8): length 3.9
  Top Layer w0.125: IC31.21 77.3,126.14 78.27,125.16 79.61,125.16 C290.1
Net-(IC31-ADDR_PROT): length 4.3
  Top Layer w0.125: IC31.55 68.81,124.14 67.65,122.98 67.65,122.64 67.14,122.12 C292.2
  Top Layer w0.2: C292.2 67.09,122.1 R216.2
Net-(IC31-BOOT_A): length 1.5
  Top Layer w0.2: IC31.38 71.85,130.37 71.6,130.62 71.6,131.01 C120.2
